# Altium PCB hand_main_board_v2.PcbDoc (part 1 of 4)
Units mil, origin at the board's own origin, x right, y up, seen from the top; angles counter-clockwise.
Board outline 2790.09 x 2362.2 mil, 6 copper layers (Top Layer, GND02, 03, 04, PWR05, Bottom Layer), stack 32.112 mil thick; 213 components, 153 nets, 785 pads, 872 vias.
Unrouted connection lines stored in the file: 240.
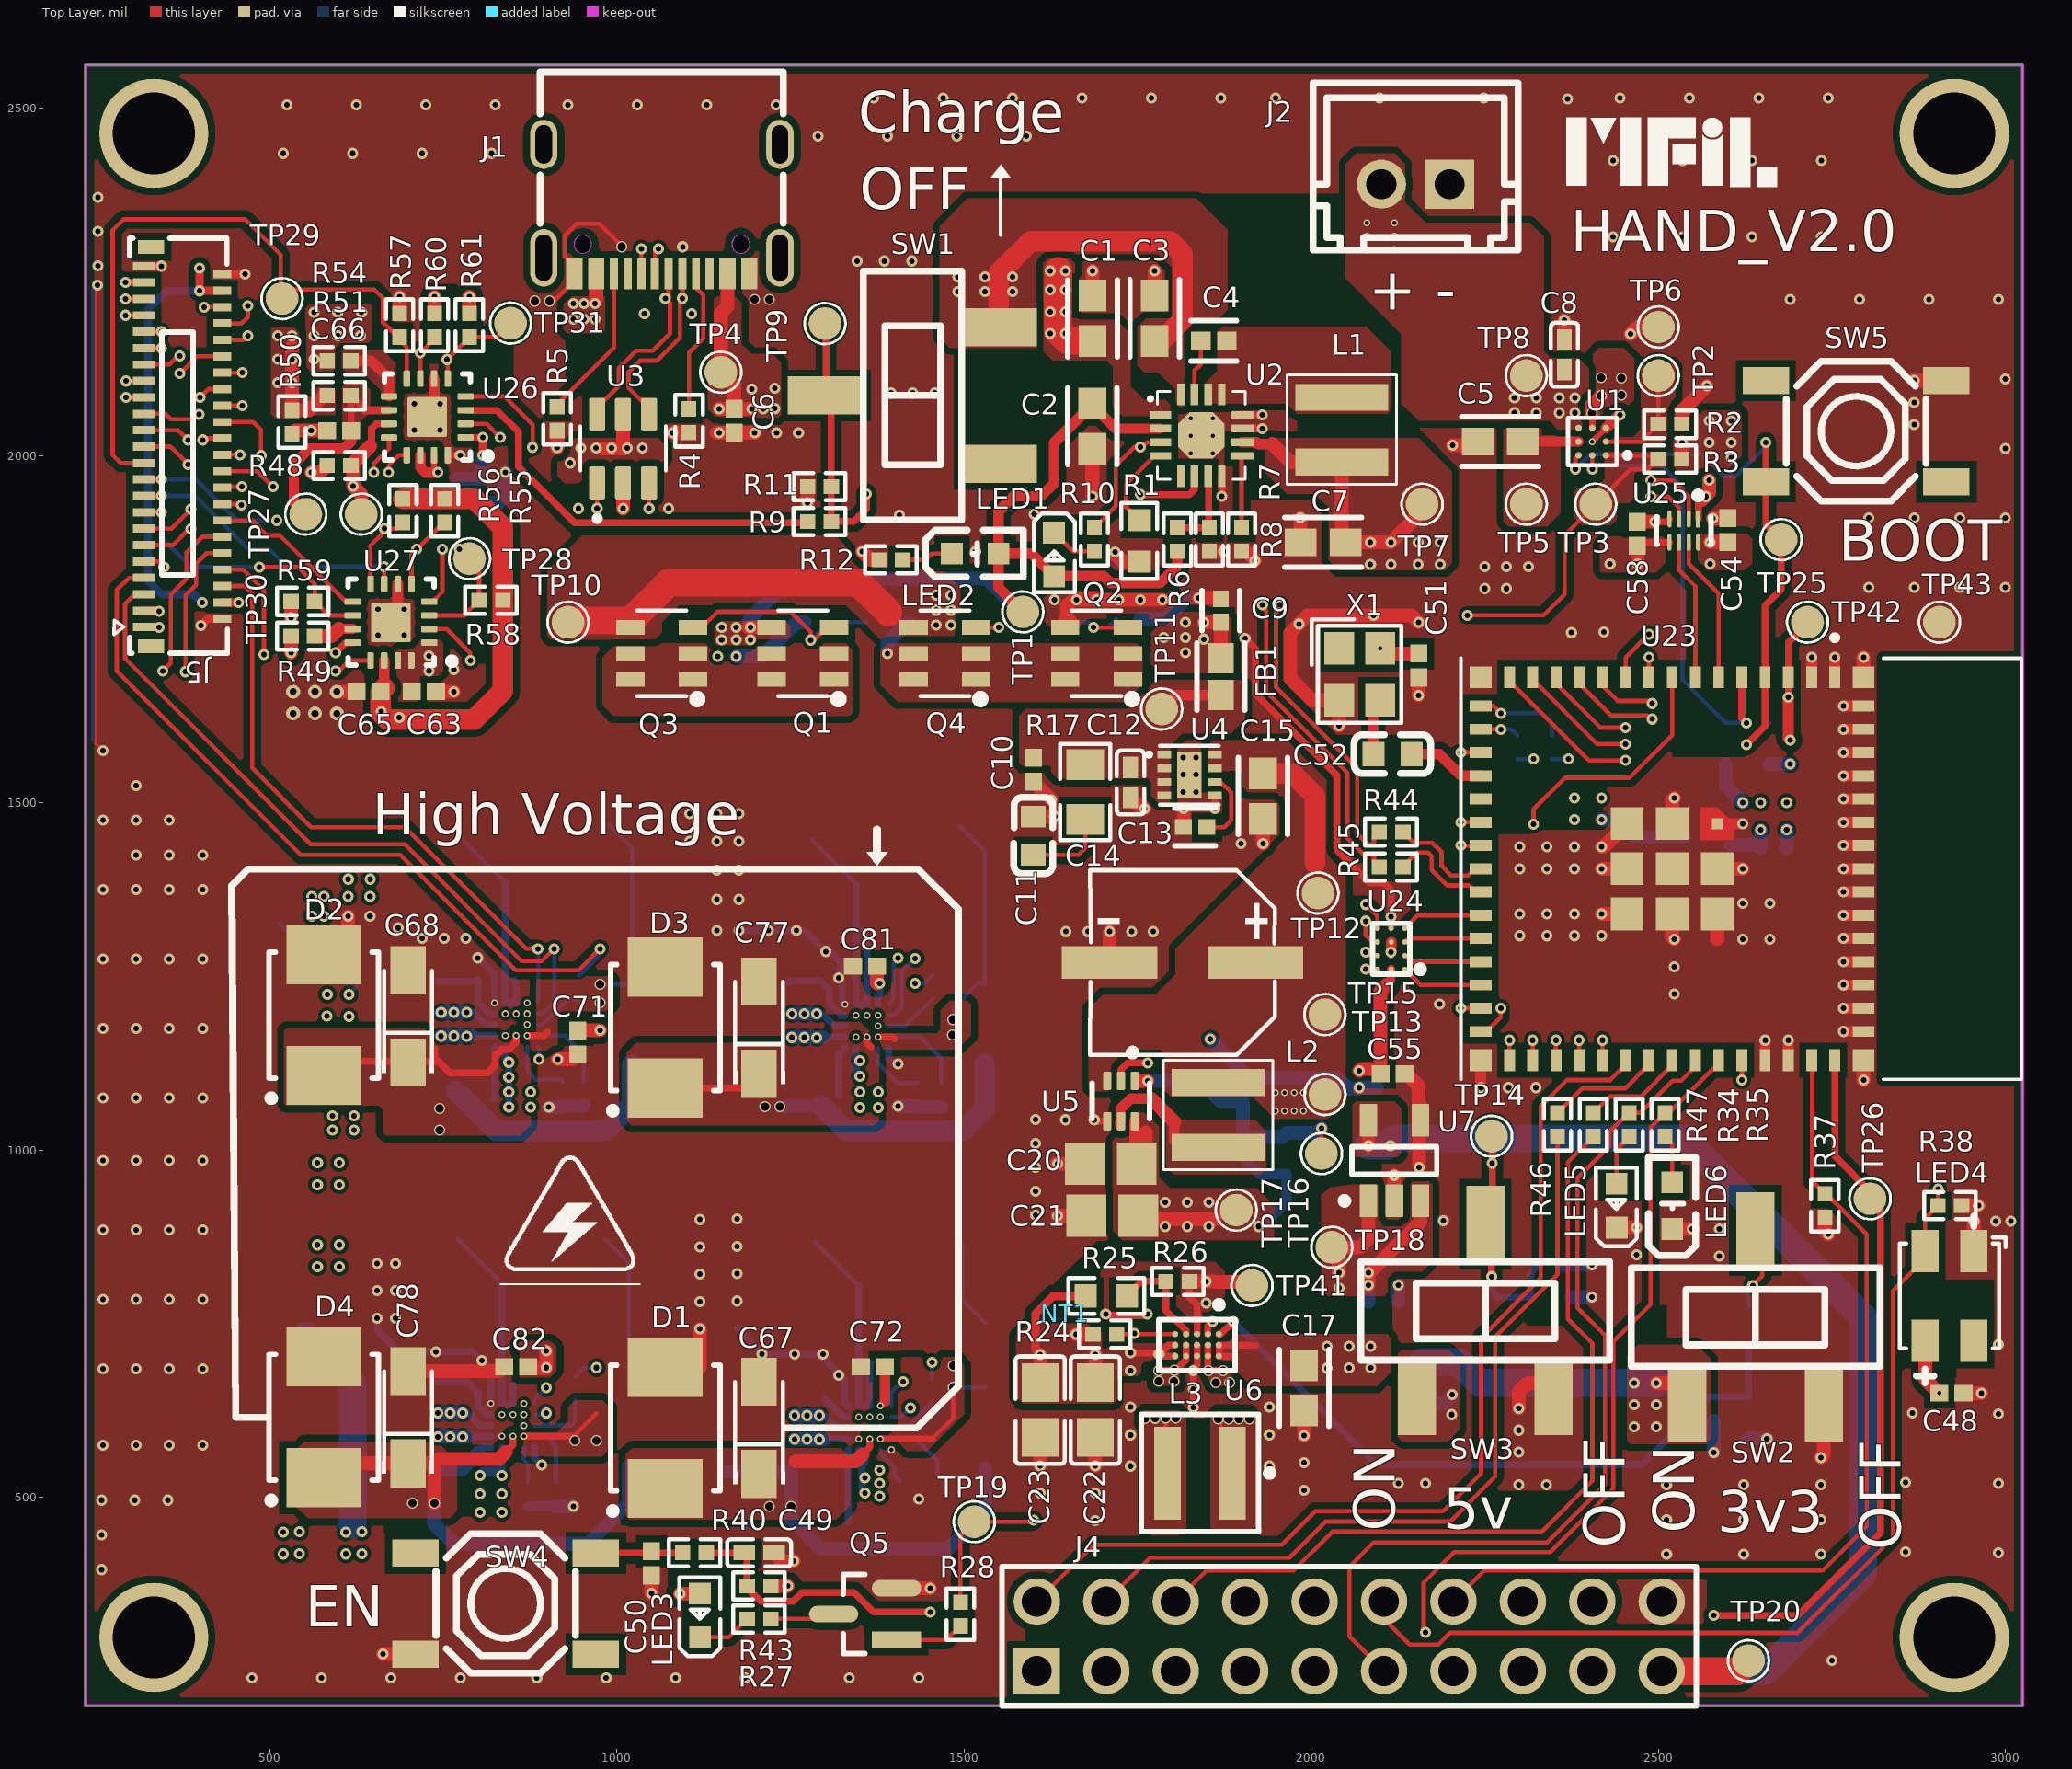
[diagram p0: Top Layer view]
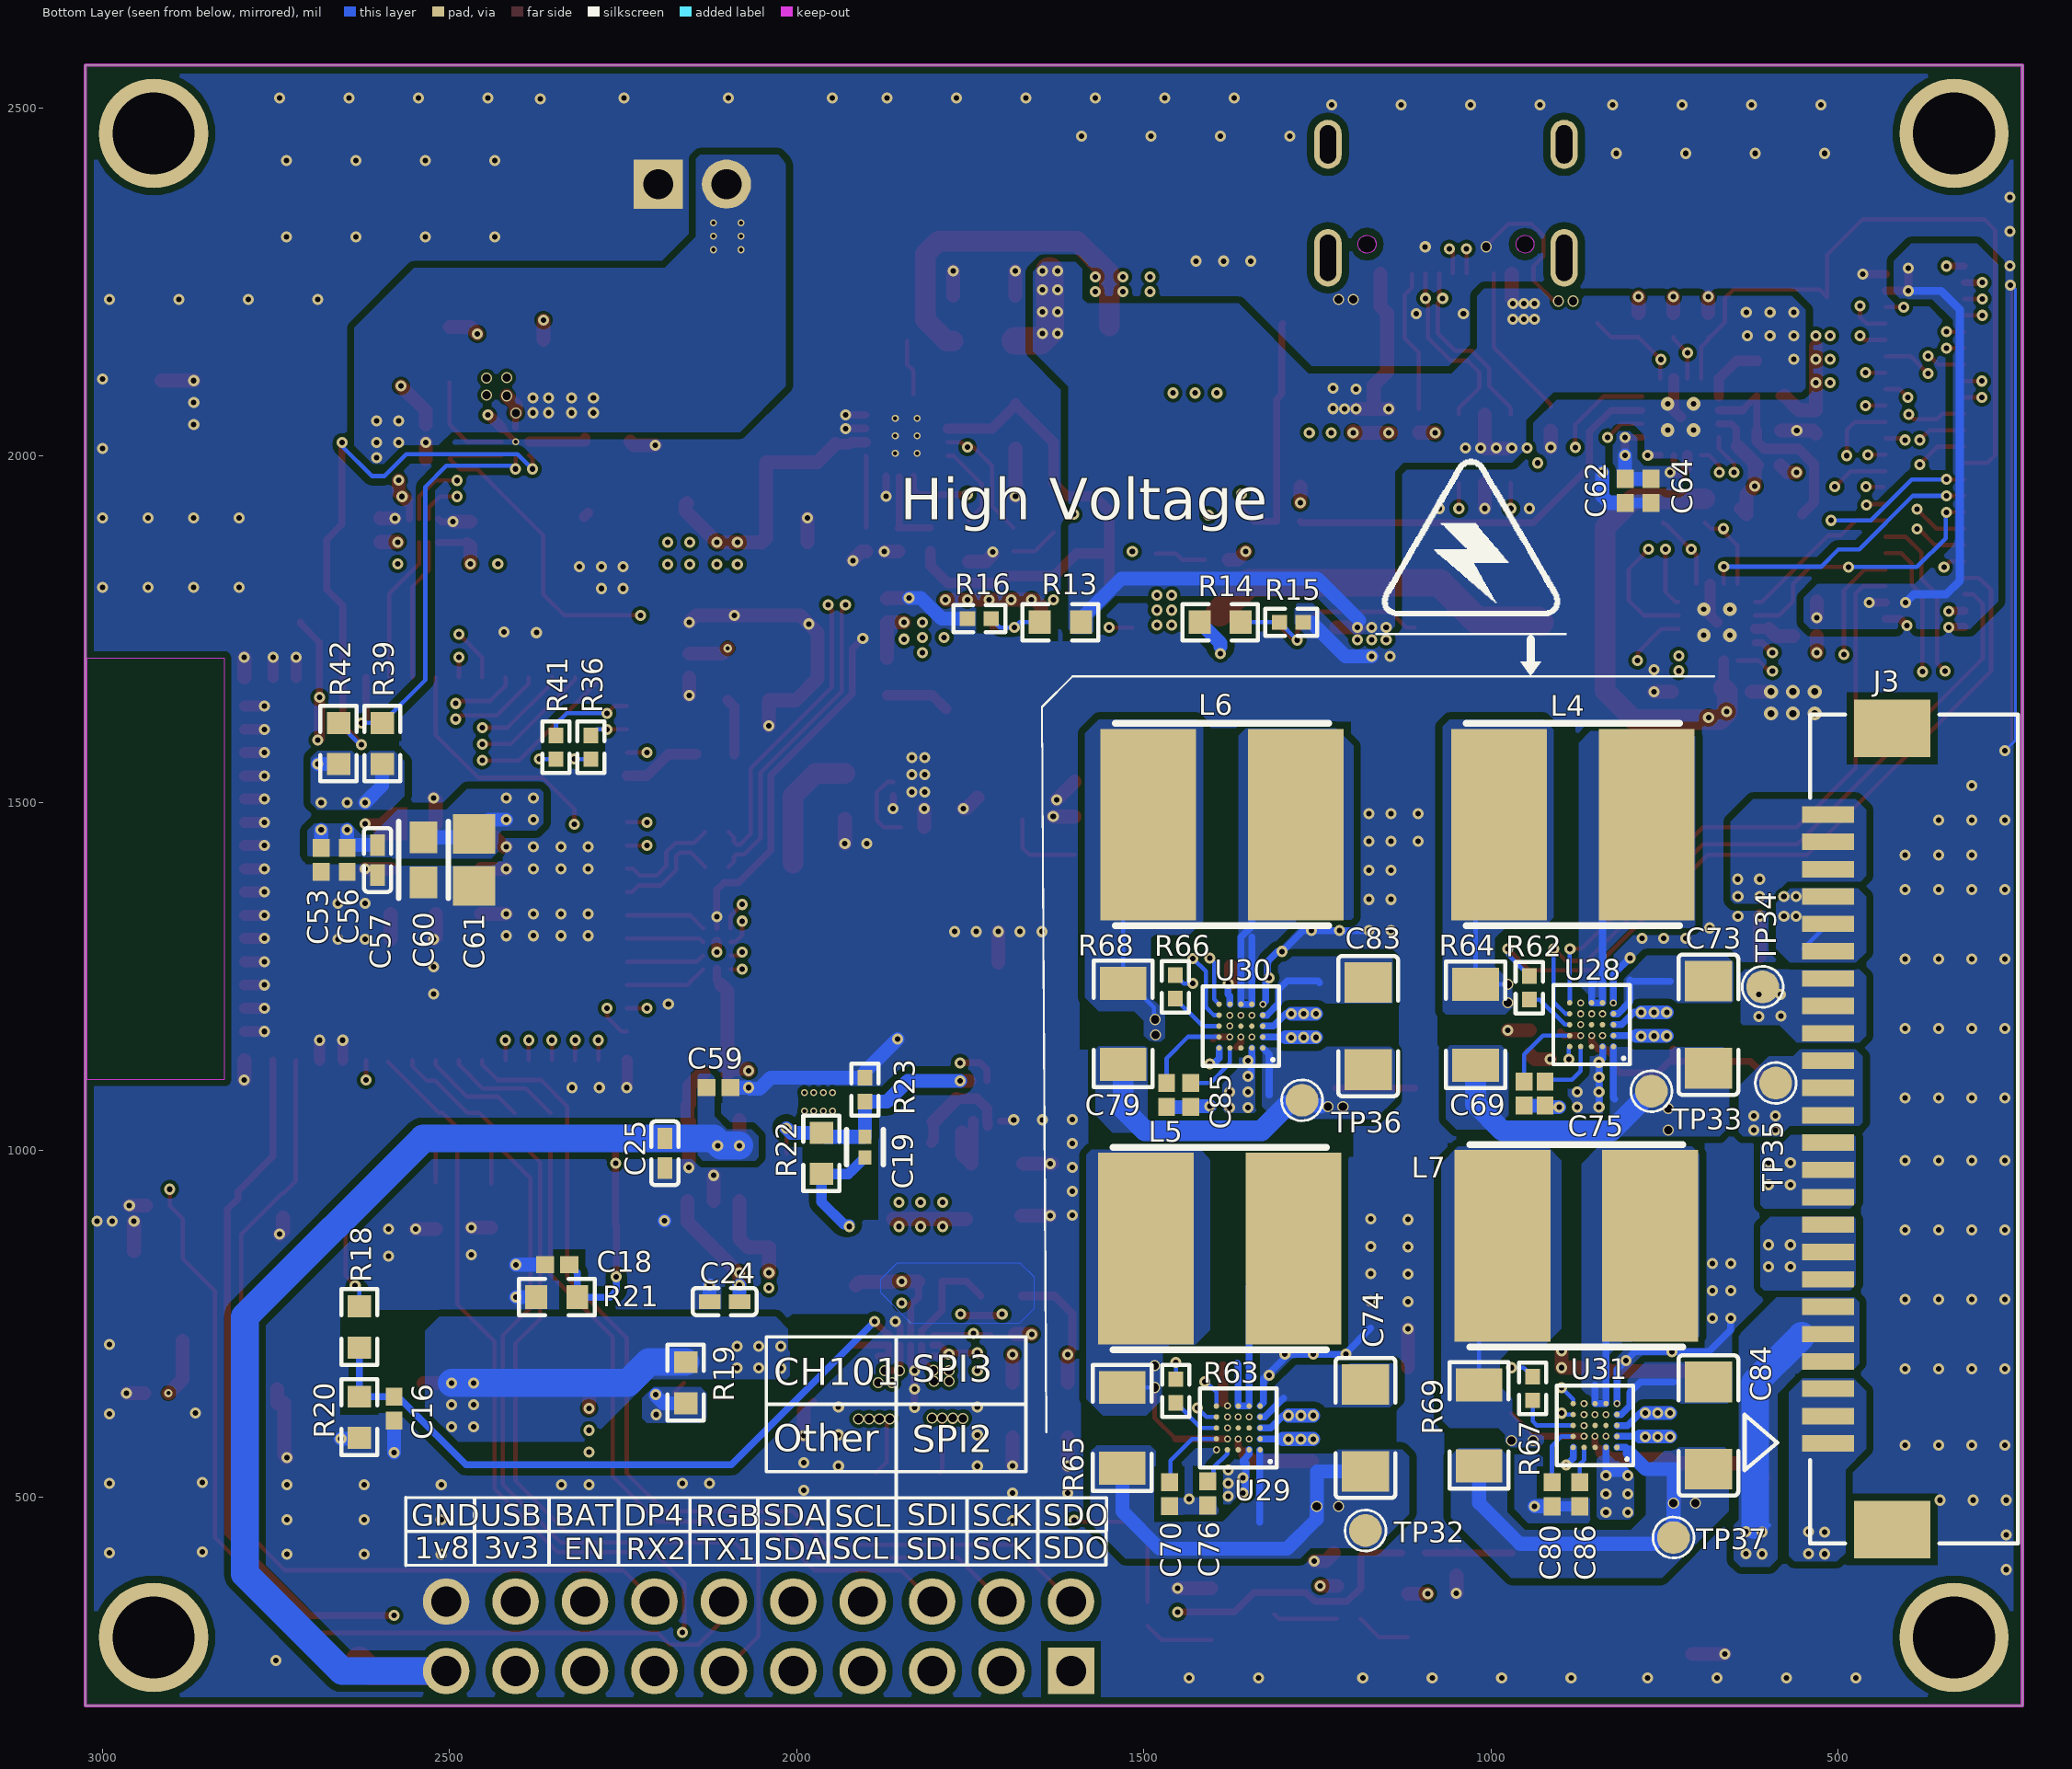
[diagram p1: Bottom Layer view, seen from below]
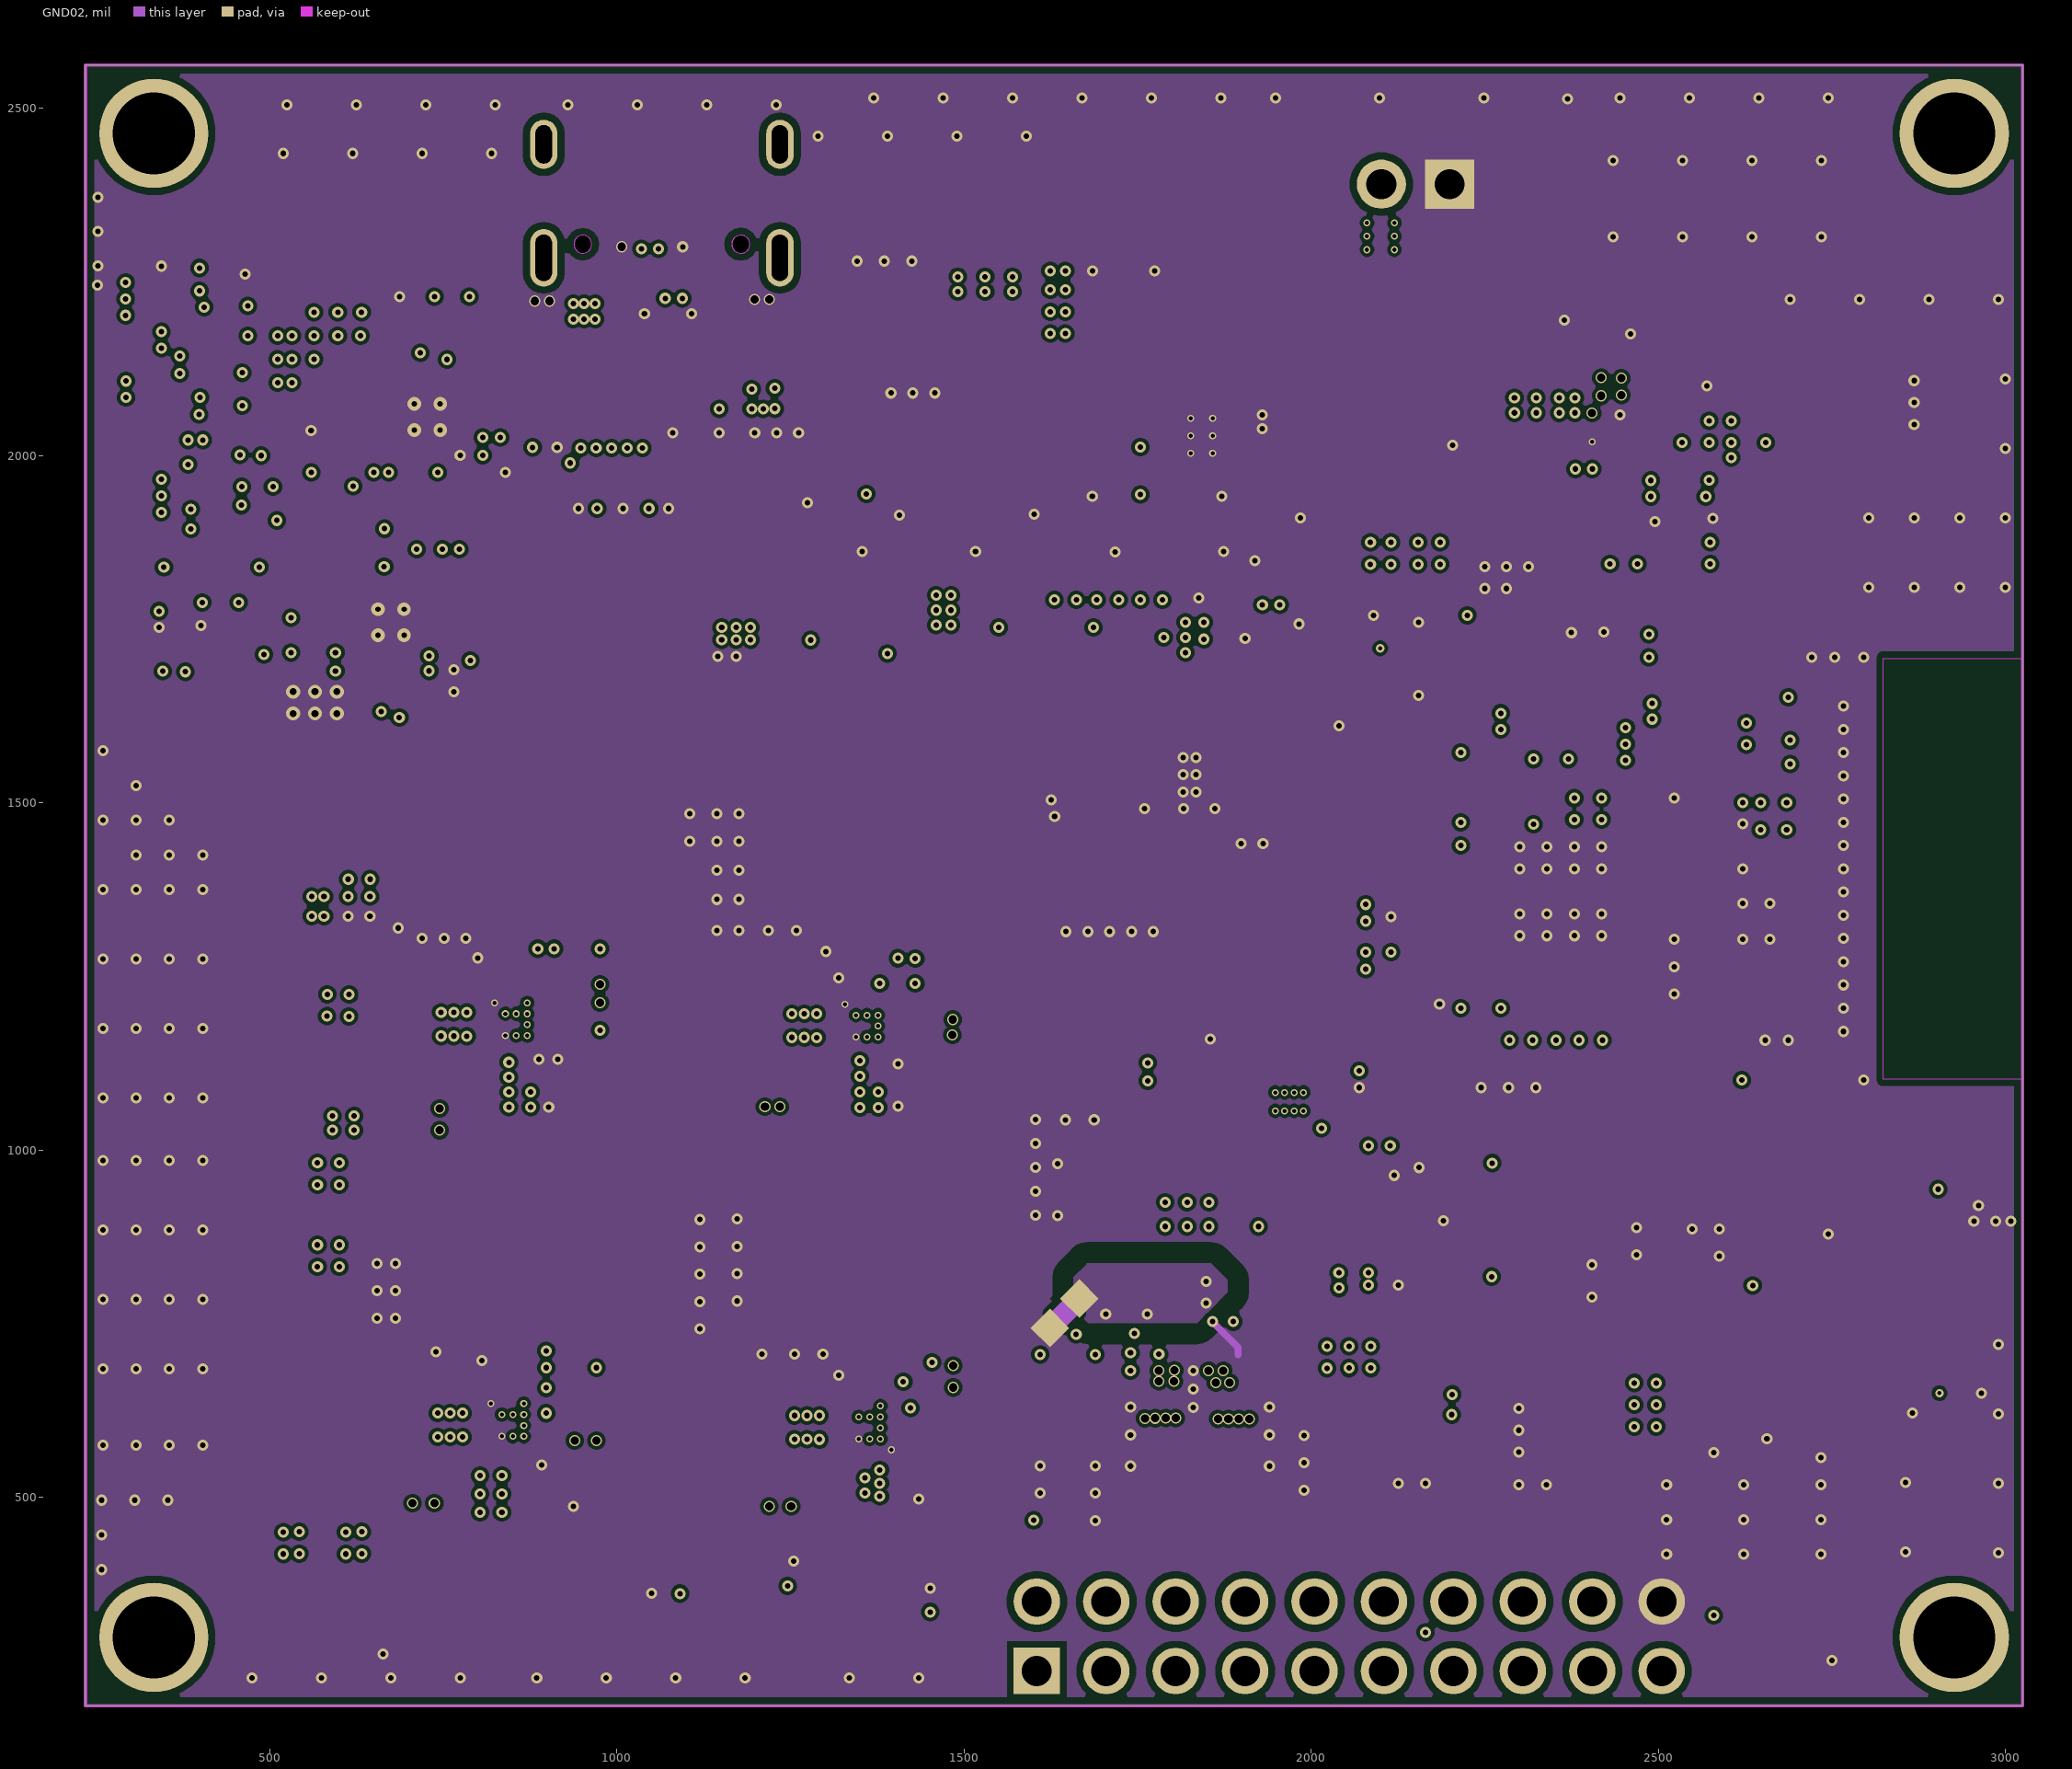
[diagram p2: GND02]
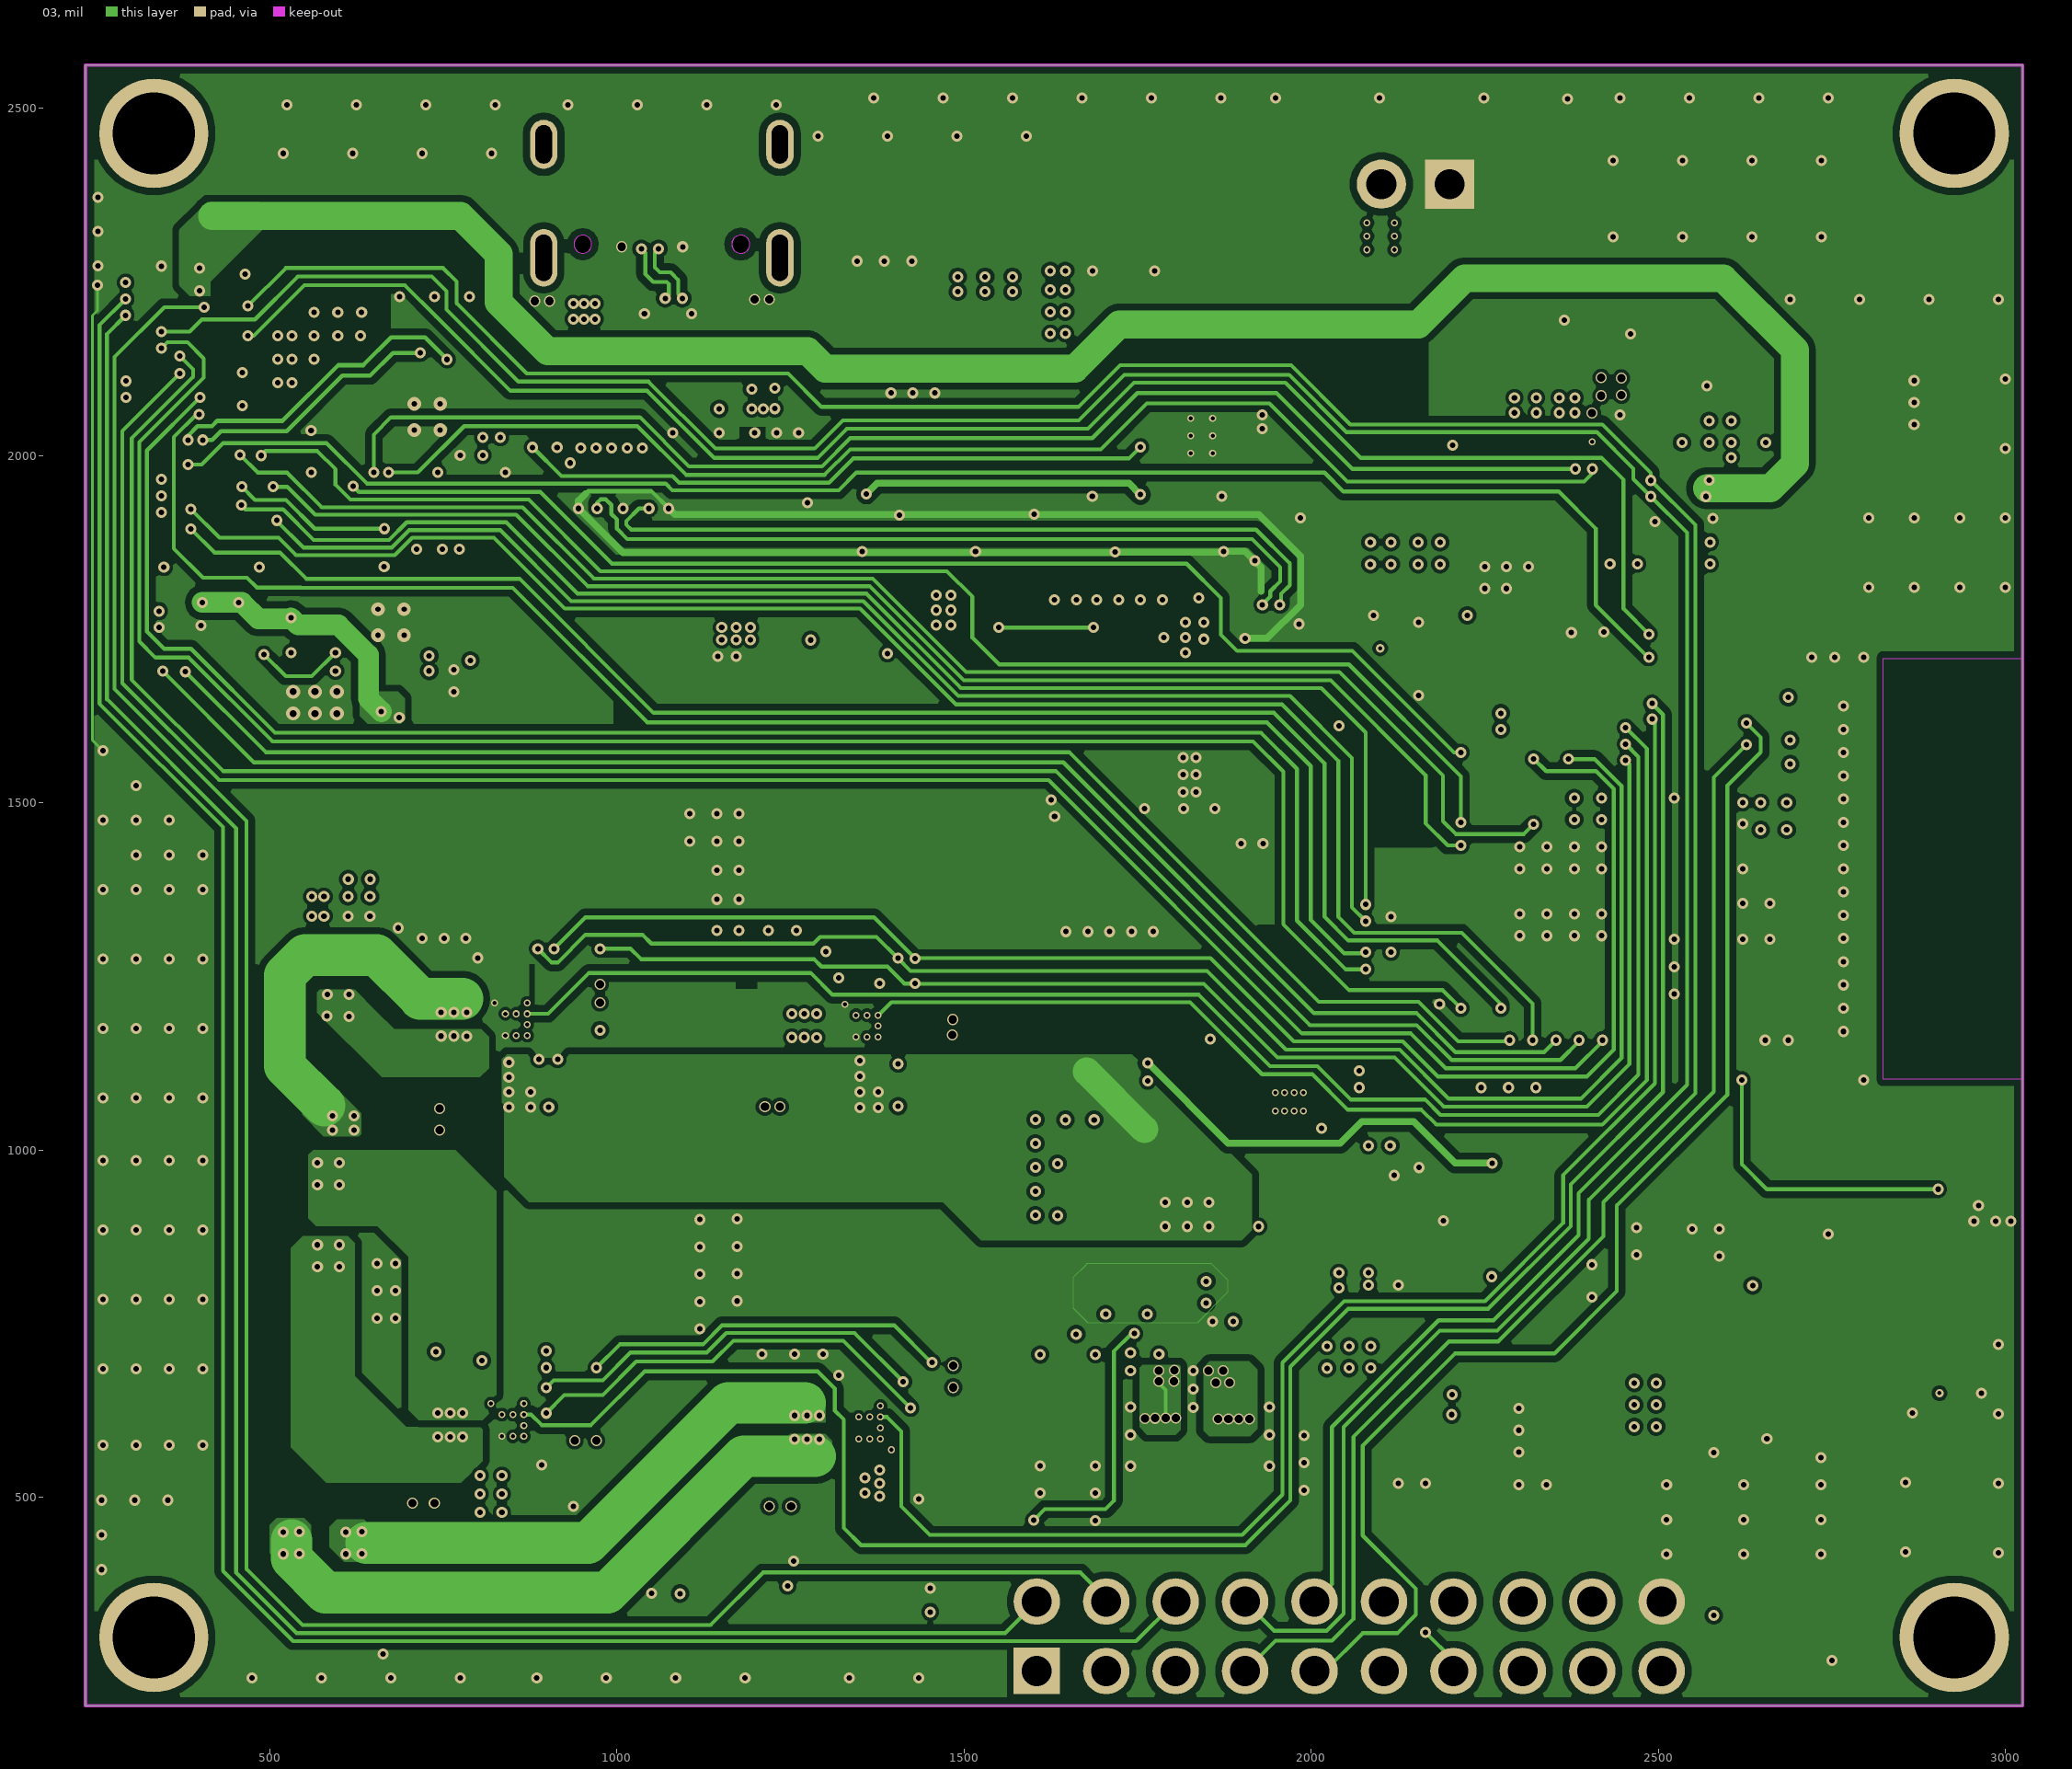
[diagram p3: 03]